# KiCad board led_res_0805_order.kicad_pcb
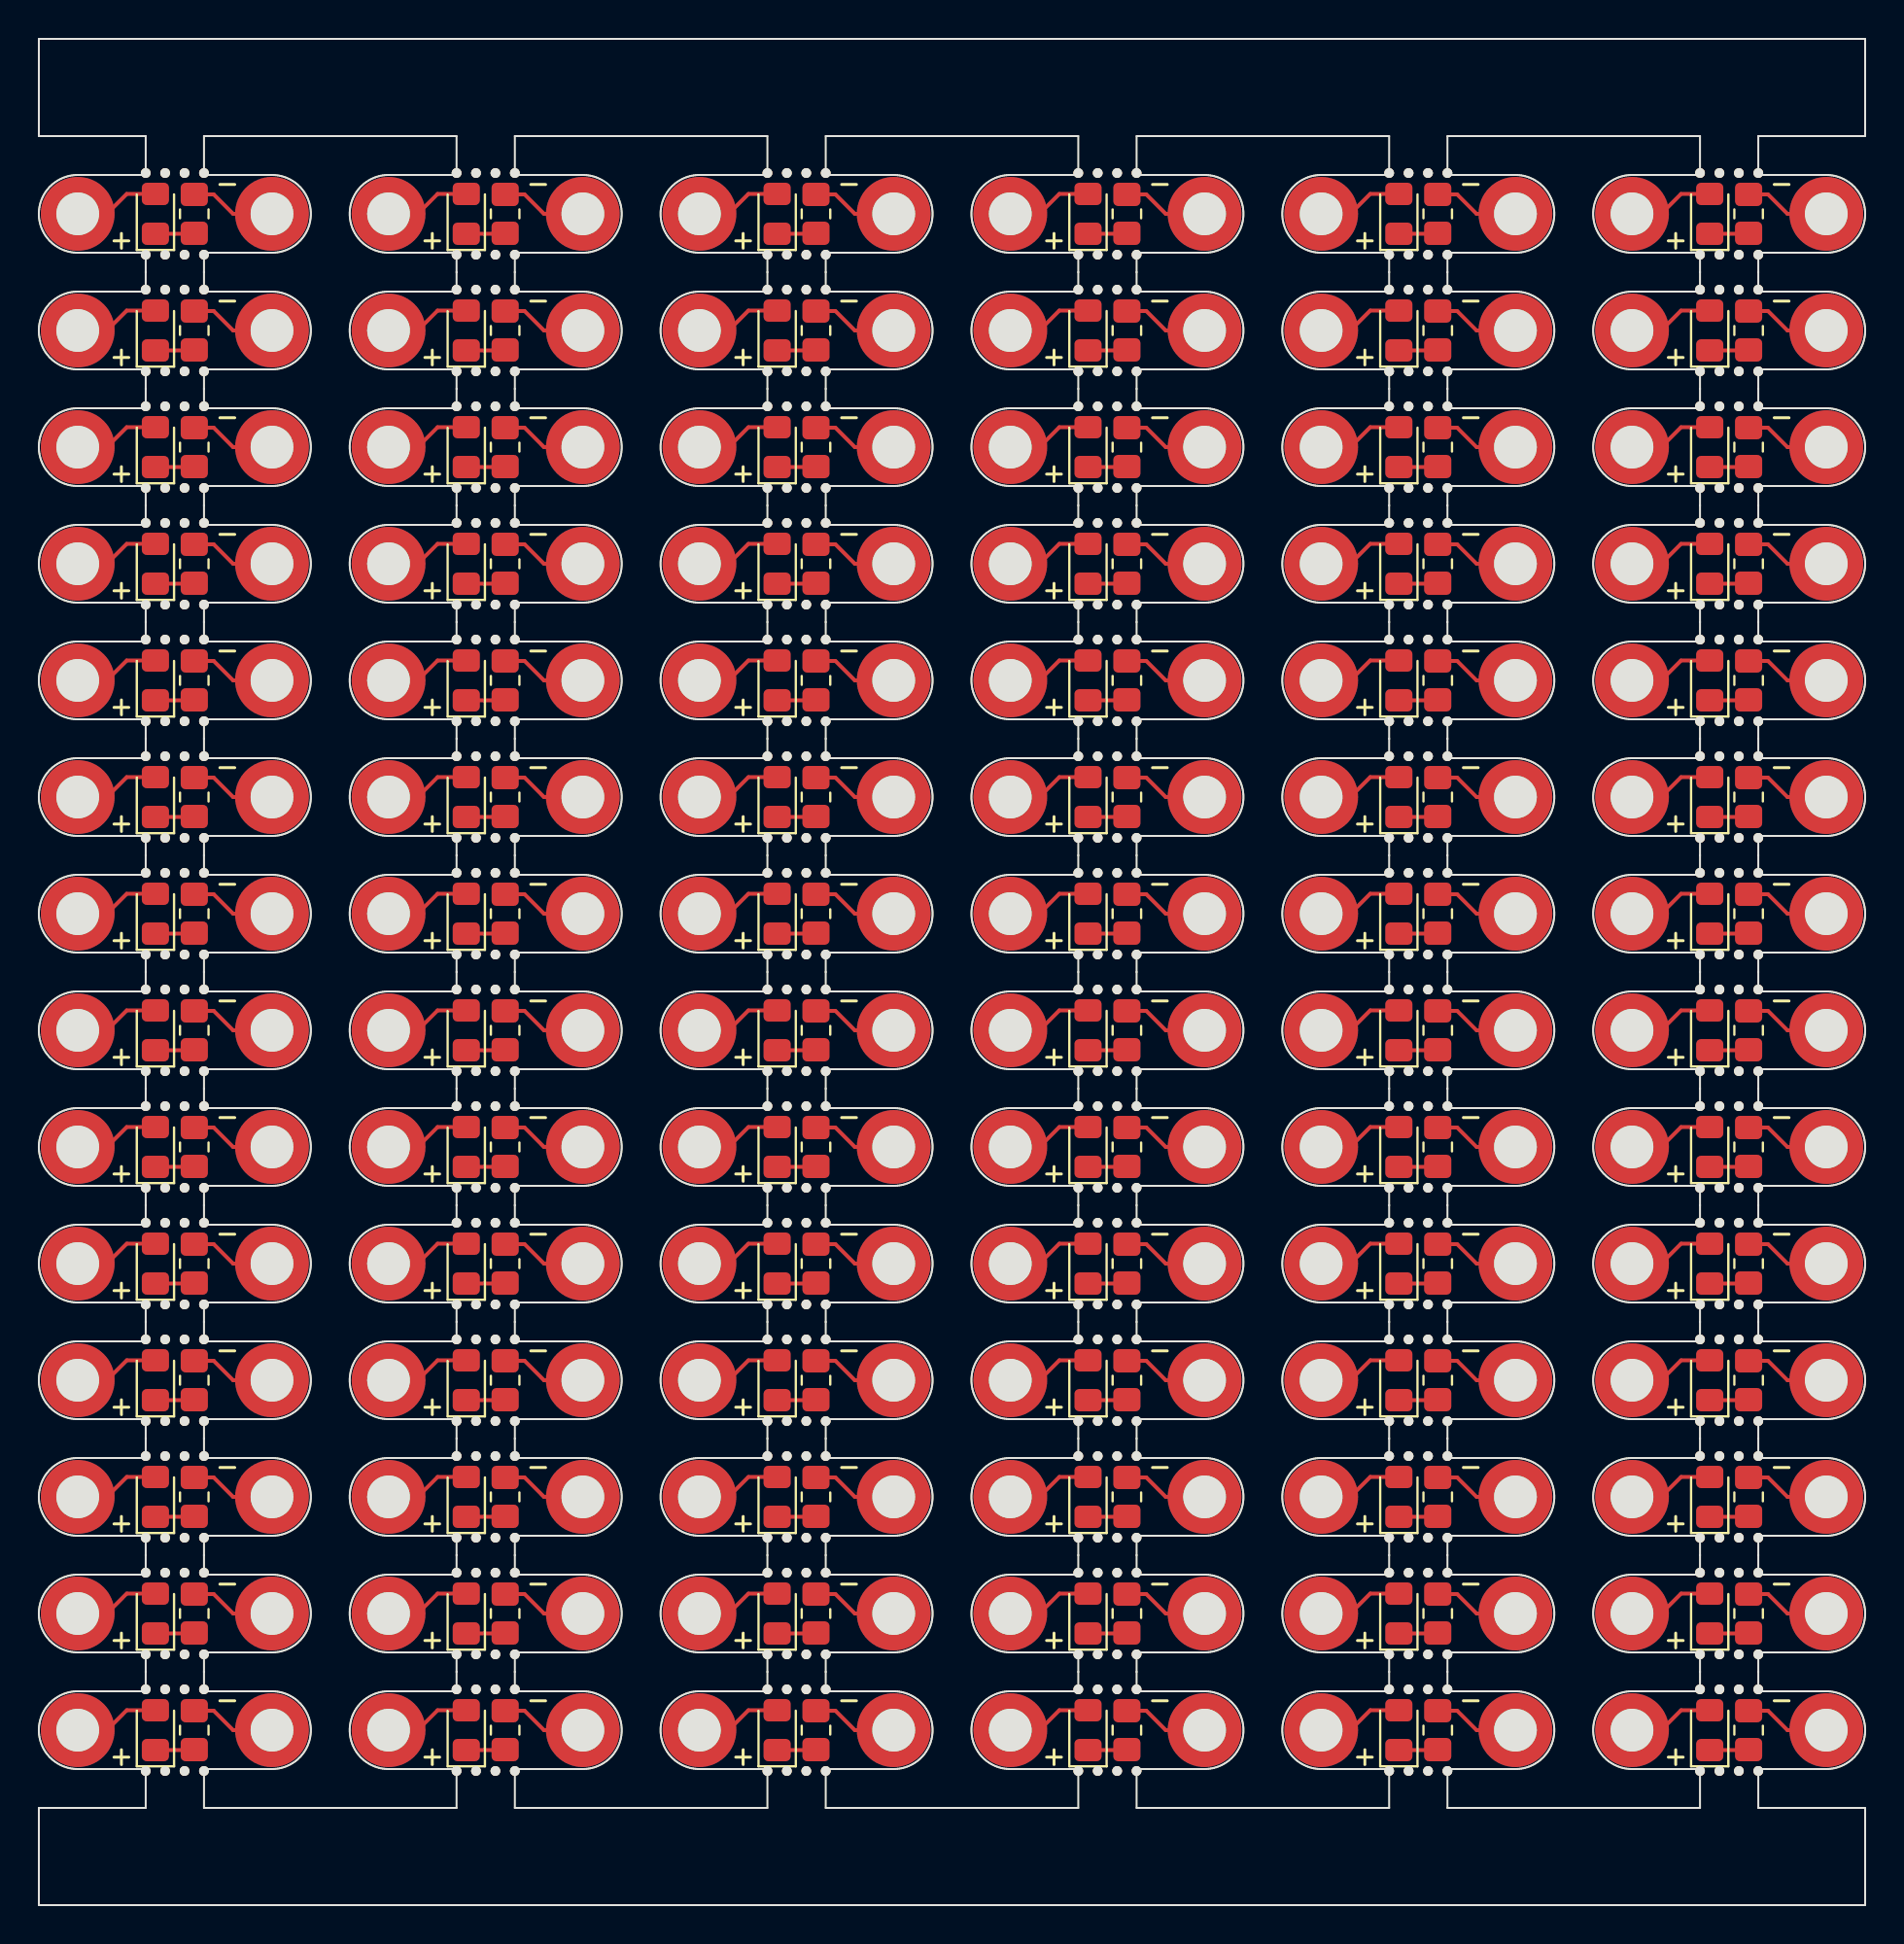
[diagram p0: board, top side]
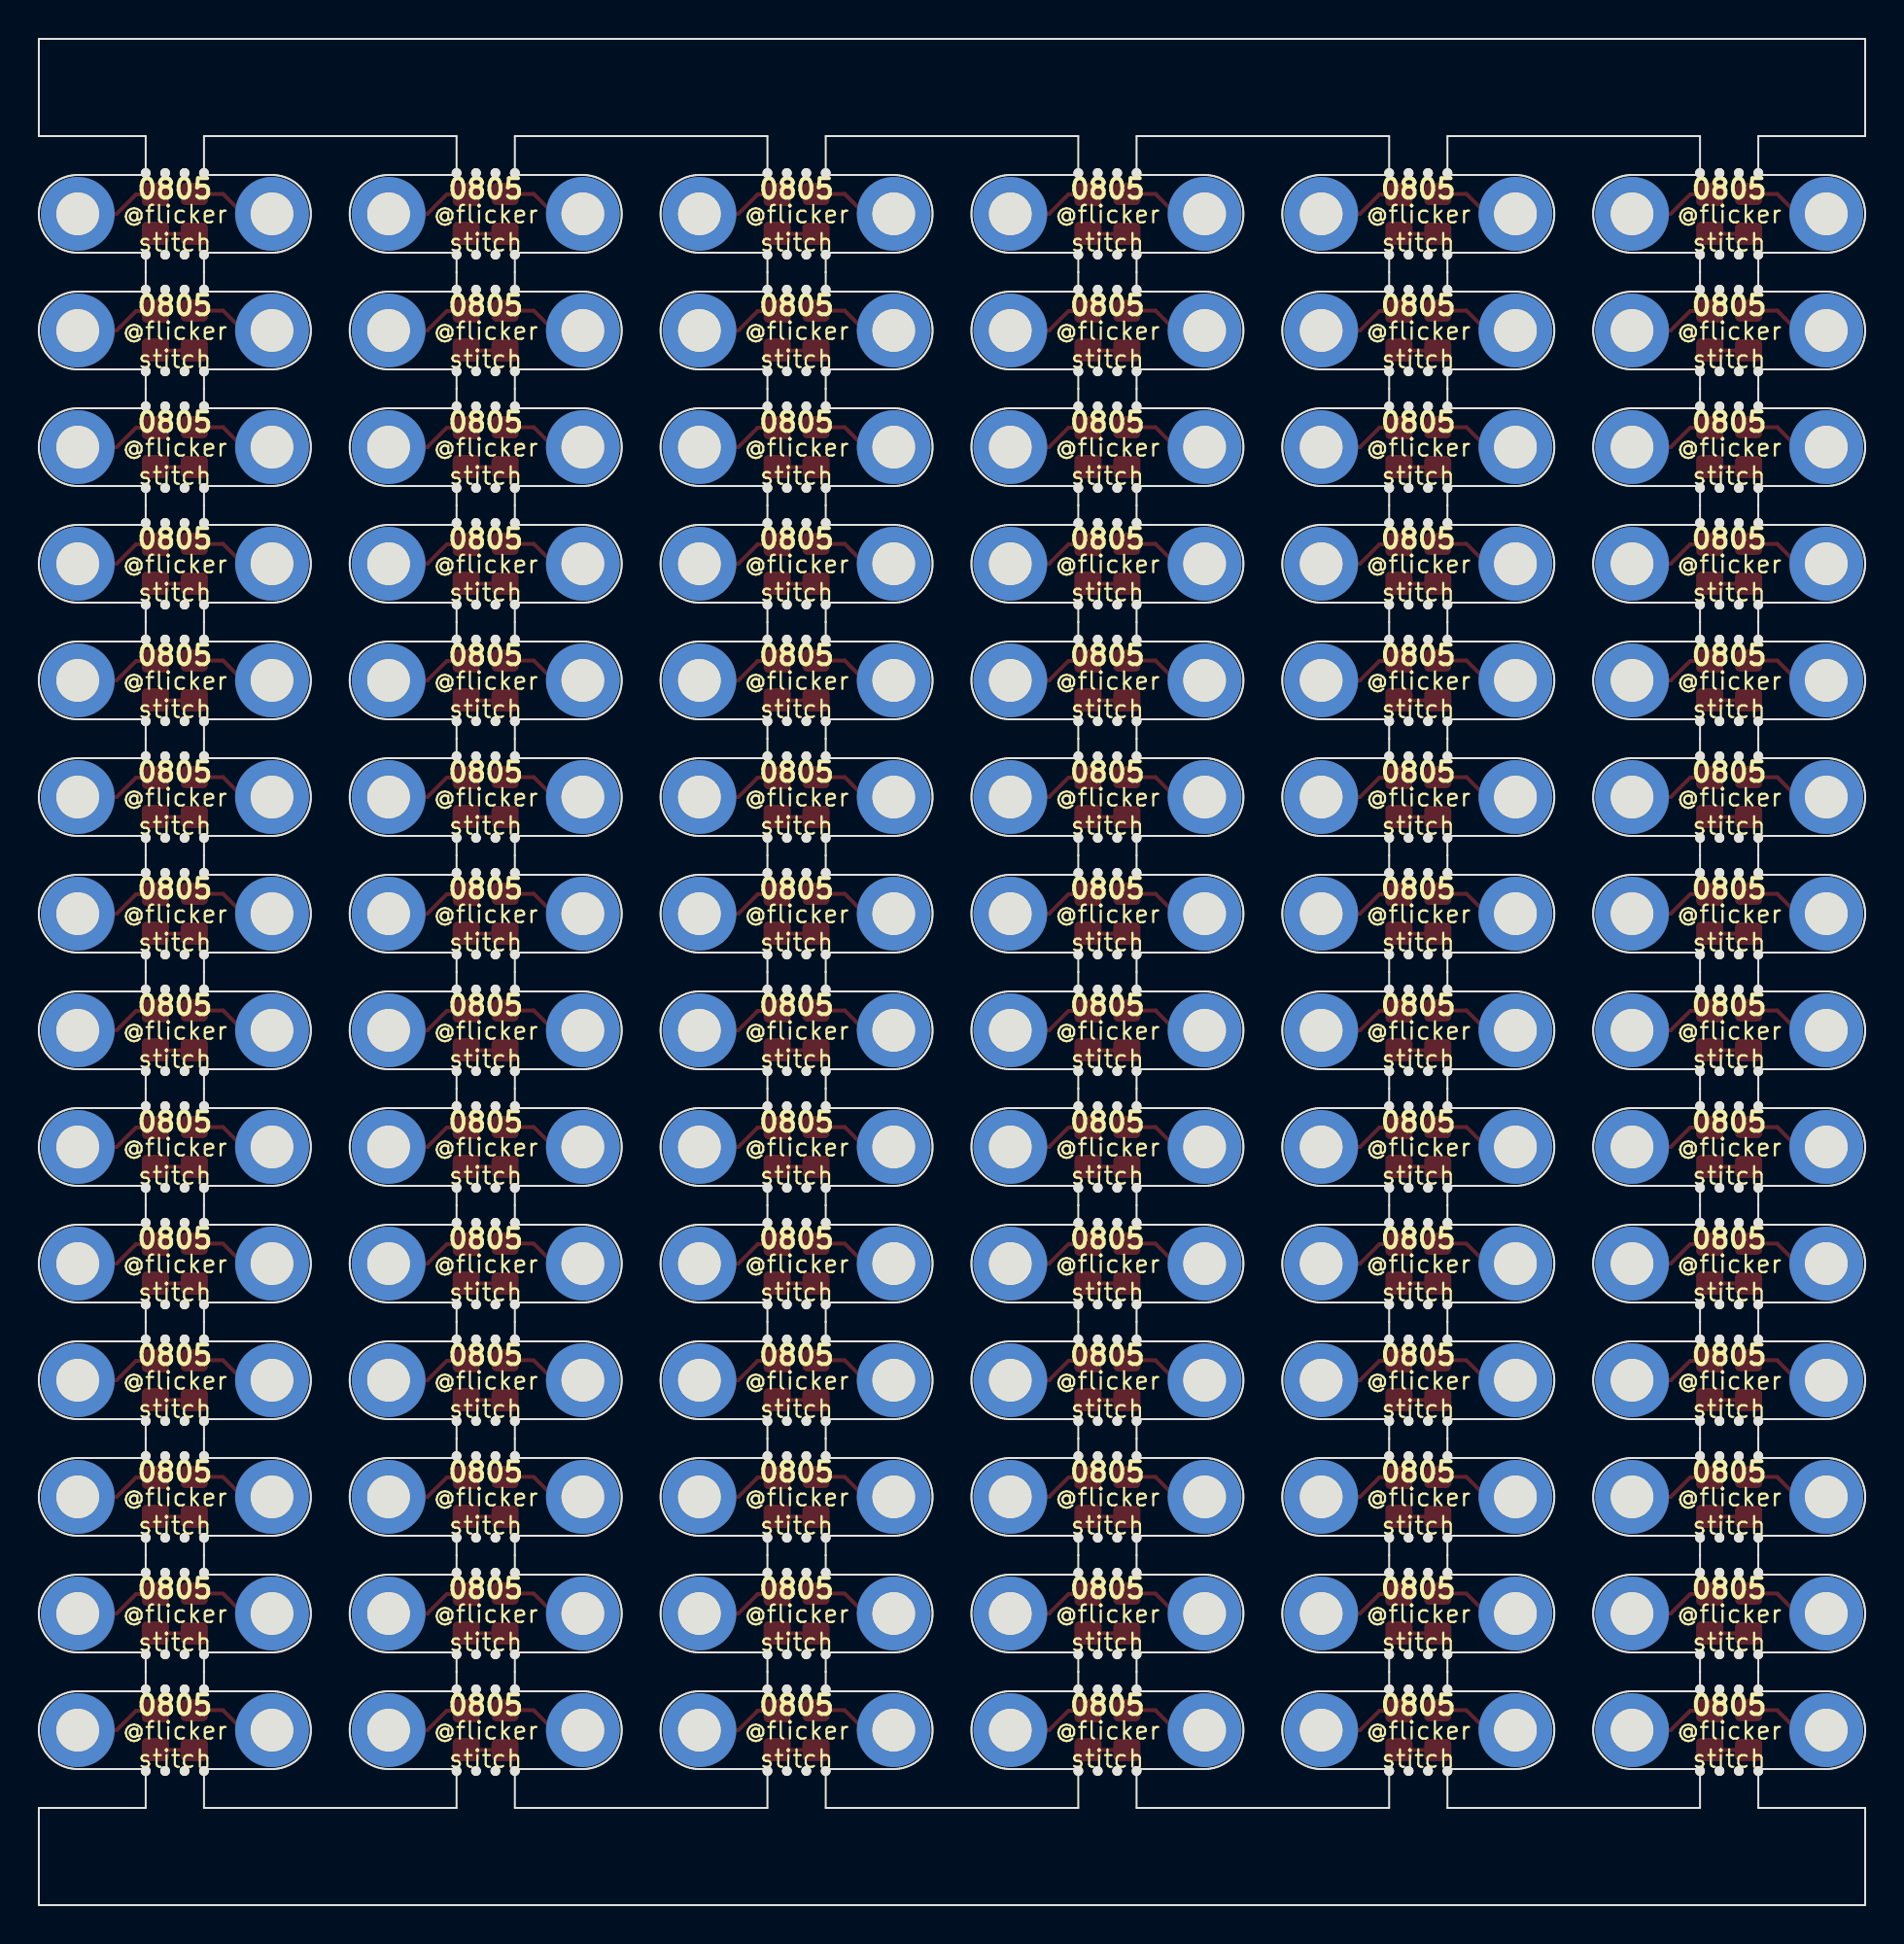
[diagram p1: board, bottom side, seen from below]

Outline 94 x 96 mm; copper layers: Top, Bottom. Coordinates in mm from the lower left corner of the outline.

## Placement (name value [footprint] x y rotation side)
D1  LED  [LED_0805_2012Metric_Pad1.15x1.40mm_HandSolder]  22 33 90 top
D1#2  LED  [LED_0805_2012Metric_Pad1.15x1.40mm_HandSolder]  6 27 90 top
D1#3  LED  [LED_0805_2012Metric_Pad1.15x1.40mm_HandSolder]  54 81 90 top
D1#4  LED  [LED_0805_2012Metric_Pad1.15x1.40mm_HandSolder]  6 75 90 top
D1#5  LED  [LED_0805_2012Metric_Pad1.15x1.40mm_HandSolder]  86 39 90 top
D1#6  LED  [LED_0805_2012Metric_Pad1.15x1.40mm_HandSolder]  86 9 90 top
D1#7  LED  [LED_0805_2012Metric_Pad1.15x1.40mm_HandSolder]  54 75 90 top
D1#8  LED  [LED_0805_2012Metric_Pad1.15x1.40mm_HandSolder]  54 51 90 top
D1#9  LED  [LED_0805_2012Metric_Pad1.15x1.40mm_HandSolder]  54 33 90 top
D1#10  LED  [LED_0805_2012Metric_Pad1.15x1.40mm_HandSolder]  38 33 90 top
D1#11  LED  [LED_0805_2012Metric_Pad1.15x1.40mm_HandSolder]  86 63 90 top
D1#12  LED  [LED_0805_2012Metric_Pad1.15x1.40mm_HandSolder]  70 51 90 top
D1#13  LED  [LED_0805_2012Metric_Pad1.15x1.40mm_HandSolder]  38 9 90 top
D1#14  LED  [LED_0805_2012Metric_Pad1.15x1.40mm_HandSolder]  70 63 90 top
D1#15  LED  [LED_0805_2012Metric_Pad1.15x1.40mm_HandSolder]  70 21 90 top
D1#16  LED  [LED_0805_2012Metric_Pad1.15x1.40mm_HandSolder]  70 87 90 top
D1#17  LED  [LED_0805_2012Metric_Pad1.15x1.40mm_HandSolder]  38 21 90 top
D1#18  LED  [LED_0805_2012Metric_Pad1.15x1.40mm_HandSolder]  6 87 90 top
D1#19  LED  [LED_0805_2012Metric_Pad1.15x1.40mm_HandSolder]  86 15 90 top
D1#20  LED  [LED_0805_2012Metric_Pad1.15x1.40mm_HandSolder]  54 63 90 top
D1#21  LED  [LED_0805_2012Metric_Pad1.15x1.40mm_HandSolder]  86 27 90 top
D1#22  LED  [LED_0805_2012Metric_Pad1.15x1.40mm_HandSolder]  38 87 90 top
D1#23  LED  [LED_0805_2012Metric_Pad1.15x1.40mm_HandSolder]  22 9 90 top
D1#24  LED  [LED_0805_2012Metric_Pad1.15x1.40mm_HandSolder]  22 39 90 top
D1#25  LED  [LED_0805_2012Metric_Pad1.15x1.40mm_HandSolder]  22 81 90 top
D1#26  LED  [LED_0805_2012Metric_Pad1.15x1.40mm_HandSolder]  86 51 90 top
D1#27  LED  [LED_0805_2012Metric_Pad1.15x1.40mm_HandSolder]  22 15 90 top
D1#28  LED  [LED_0805_2012Metric_Pad1.15x1.40mm_HandSolder]  86 33 90 top
D1#29  LED  [LED_0805_2012Metric_Pad1.15x1.40mm_HandSolder]  86 57 90 top
D1#30  LED  [LED_0805_2012Metric_Pad1.15x1.40mm_HandSolder]  6 15 90 top
D1#31  LED  [LED_0805_2012Metric_Pad1.15x1.40mm_HandSolder]  38 39 90 top
D1#32  LED  [LED_0805_2012Metric_Pad1.15x1.40mm_HandSolder]  54 39 90 top
D1#33  LED  [LED_0805_2012Metric_Pad1.15x1.40mm_HandSolder]  38 69 90 top
D1#34  LED  [LED_0805_2012Metric_Pad1.15x1.40mm_HandSolder]  70 69 90 top
D1#35  LED  [LED_0805_2012Metric_Pad1.15x1.40mm_HandSolder]  6 9 90 top
D1#36  LED  [LED_0805_2012Metric_Pad1.15x1.40mm_HandSolder]  70 15 90 top
D1#37  LED  [LED_0805_2012Metric_Pad1.15x1.40mm_HandSolder]  6 39 90 top
D1#38  LED  [LED_0805_2012Metric_Pad1.15x1.40mm_HandSolder]  54 27 90 top
D1#39  LED  [LED_0805_2012Metric_Pad1.15x1.40mm_HandSolder]  6 33 90 top
D1#40  LED  [LED_0805_2012Metric_Pad1.15x1.40mm_HandSolder]  6 21 90 top
D1#41  LED  [LED_0805_2012Metric_Pad1.15x1.40mm_HandSolder]  70 81 90 top
D1#42  LED  [LED_0805_2012Metric_Pad1.15x1.40mm_HandSolder]  54 57 90 top
D1#43  LED  [LED_0805_2012Metric_Pad1.15x1.40mm_HandSolder]  22 27 90 top
D1#44  LED  [LED_0805_2012Metric_Pad1.15x1.40mm_HandSolder]  70 45 90 top
D1#45  LED  [LED_0805_2012Metric_Pad1.15x1.40mm_HandSolder]  6 69 90 top
D1#46  LED  [LED_0805_2012Metric_Pad1.15x1.40mm_HandSolder]  6 63 90 top
D1#47  LED  [LED_0805_2012Metric_Pad1.15x1.40mm_HandSolder]  54 21 90 top
D1#48  LED  [LED_0805_2012Metric_Pad1.15x1.40mm_HandSolder]  22 69 90 top
D1#49  LED  [LED_0805_2012Metric_Pad1.15x1.40mm_HandSolder]  54 15 90 top
D1#50  LED  [LED_0805_2012Metric_Pad1.15x1.40mm_HandSolder]  38 27 90 top
D1#51  LED  [LED_0805_2012Metric_Pad1.15x1.40mm_HandSolder]  38 81 90 top
D1#52  LED  [LED_0805_2012Metric_Pad1.15x1.40mm_HandSolder]  54 87 90 top
D1#53  LED  [LED_0805_2012Metric_Pad1.15x1.40mm_HandSolder]  38 15 90 top
D1#54  LED  [LED_0805_2012Metric_Pad1.15x1.40mm_HandSolder]  70 39 90 top
D1#55  LED  [LED_0805_2012Metric_Pad1.15x1.40mm_HandSolder]  6 57 90 top
D1#56  LED  [LED_0805_2012Metric_Pad1.15x1.40mm_HandSolder]  38 45 90 top
D1#57  LED  [LED_0805_2012Metric_Pad1.15x1.40mm_HandSolder]  70 57 90 top
D1#58  LED  [LED_0805_2012Metric_Pad1.15x1.40mm_HandSolder]  86 21 90 top
D1#59  LED  [LED_0805_2012Metric_Pad1.15x1.40mm_HandSolder]  70 75 90 top
D1#60  LED  [LED_0805_2012Metric_Pad1.15x1.40mm_HandSolder]  54 9 90 top
D1#61  LED  [LED_0805_2012Metric_Pad1.15x1.40mm_HandSolder]  70 27 90 top
D1#62  LED  [LED_0805_2012Metric_Pad1.15x1.40mm_HandSolder]  38 63 90 top
D1#63  LED  [LED_0805_2012Metric_Pad1.15x1.40mm_HandSolder]  54 45 90 top
D1#64  LED  [LED_0805_2012Metric_Pad1.15x1.40mm_HandSolder]  22 87 90 top
D1#65  LED  [LED_0805_2012Metric_Pad1.15x1.40mm_HandSolder]  22 57 90 top
D1#66  LED  [LED_0805_2012Metric_Pad1.15x1.40mm_HandSolder]  86 81 90 top
D1#67  LED  [LED_0805_2012Metric_Pad1.15x1.40mm_HandSolder]  6 45 90 top
D1#68  LED  [LED_0805_2012Metric_Pad1.15x1.40mm_HandSolder]  22 21 90 top
D1#69  LED  [LED_0805_2012Metric_Pad1.15x1.40mm_HandSolder]  86 75 90 top
D1#70  LED  [LED_0805_2012Metric_Pad1.15x1.40mm_HandSolder]  38 51 90 top
D1#71  LED  [LED_0805_2012Metric_Pad1.15x1.40mm_HandSolder]  70 9 90 top
D1#72  LED  [LED_0805_2012Metric_Pad1.15x1.40mm_HandSolder]  22 63 90 top
D1#73  LED  [LED_0805_2012Metric_Pad1.15x1.40mm_HandSolder]  86 69 90 top
D1#74  LED  [LED_0805_2012Metric_Pad1.15x1.40mm_HandSolder]  86 87 90 top
D1#75  LED  [LED_0805_2012Metric_Pad1.15x1.40mm_HandSolder]  54 69 90 top
D1#76  LED  [LED_0805_2012Metric_Pad1.15x1.40mm_HandSolder]  22 45 90 top
D1#77  LED  [LED_0805_2012Metric_Pad1.15x1.40mm_HandSolder]  6 51 90 top
D1#78  LED  [LED_0805_2012Metric_Pad1.15x1.40mm_HandSolder]  22 51 90 top
D1#79  LED  [LED_0805_2012Metric_Pad1.15x1.40mm_HandSolder]  70 33 90 top
D1#80  LED  [LED_0805_2012Metric_Pad1.15x1.40mm_HandSolder]  86 45 90 top
D1#81  LED  [LED_0805_2012Metric_Pad1.15x1.40mm_HandSolder]  38 75 90 top
D1#82  LED  [LED_0805_2012Metric_Pad1.15x1.40mm_HandSolder]  22 75 90 top
D1#83  LED  [LED_0805_2012Metric_Pad1.15x1.40mm_HandSolder]  38 57 90 top
D1#84  LED  [LED_0805_2012Metric_Pad1.15x1.40mm_HandSolder]  6 81 90 top
H1  MountingHole_Pad  [MountingHole_2.2mm_M2_DIN965_Pad_TopBottom]  2 51 0 top
H1#2  MountingHole_Pad  [MountingHole_2.2mm_M2_DIN965_Pad_TopBottom]  18 39 0 top
H1#3  MountingHole_Pad  [MountingHole_2.2mm_M2_DIN965_Pad_TopBottom]  18 57 0 top
H1#4  MountingHole_Pad  [MountingHole_2.2mm_M2_DIN965_Pad_TopBottom]  2 81 0 top
H1#5  MountingHole_Pad  [MountingHole_2.2mm_M2_DIN965_Pad_TopBottom]  50 75 0 top
H1#6  MountingHole_Pad  [MountingHole_2.2mm_M2_DIN965_Pad_TopBottom]  2 9 0 top
H1#7  MountingHole_Pad  [MountingHole_2.2mm_M2_DIN965_Pad_TopBottom]  34 81 0 top
H1#8  MountingHole_Pad  [MountingHole_2.2mm_M2_DIN965_Pad_TopBottom]  50 51 0 top
H1#9  MountingHole_Pad  [MountingHole_2.2mm_M2_DIN965_Pad_TopBottom]  66 21 0 top
H1#10  MountingHole_Pad  [MountingHole_2.2mm_M2_DIN965_Pad_TopBottom]  82 57 0 top
H1#11  MountingHole_Pad  [MountingHole_2.2mm_M2_DIN965_Pad_TopBottom]  18 33 0 top
H1#12  MountingHole_Pad  [MountingHole_2.2mm_M2_DIN965_Pad_TopBottom]  82 27 0 top
H1#13  MountingHole_Pad  [MountingHole_2.2mm_M2_DIN965_Pad_TopBottom]  2 27 0 top
H1#14  MountingHole_Pad  [MountingHole_2.2mm_M2_DIN965_Pad_TopBottom]  66 57 0 top
H1#15  MountingHole_Pad  [MountingHole_2.2mm_M2_DIN965_Pad_TopBottom]  18 15 0 top
H1#16  MountingHole_Pad  [MountingHole_2.2mm_M2_DIN965_Pad_TopBottom]  2 15 0 top
H1#17  MountingHole_Pad  [MountingHole_2.2mm_M2_DIN965_Pad_TopBottom]  82 21 0 top
H1#18  MountingHole_Pad  [MountingHole_2.2mm_M2_DIN965_Pad_TopBottom]  18 51 0 top
H1#19  MountingHole_Pad  [MountingHole_2.2mm_M2_DIN965_Pad_TopBottom]  82 87 0 top
H1#20  MountingHole_Pad  [MountingHole_2.2mm_M2_DIN965_Pad_TopBottom]  34 27 0 top
H1#21  MountingHole_Pad  [MountingHole_2.2mm_M2_DIN965_Pad_TopBottom]  66 87 0 top
H1#22  MountingHole_Pad  [MountingHole_2.2mm_M2_DIN965_Pad_TopBottom]  82 51 0 top
H1#23  MountingHole_Pad  [MountingHole_2.2mm_M2_DIN965_Pad_TopBottom]  50 81 0 top
H1#24  MountingHole_Pad  [MountingHole_2.2mm_M2_DIN965_Pad_TopBottom]  82 45 0 top
H1#25  MountingHole_Pad  [MountingHole_2.2mm_M2_DIN965_Pad_TopBottom]  34 69 0 top
H1#26  MountingHole_Pad  [MountingHole_2.2mm_M2_DIN965_Pad_TopBottom]  66 15 0 top
H1#27  MountingHole_Pad  [MountingHole_2.2mm_M2_DIN965_Pad_TopBottom]  66 81 0 top
H1#28  MountingHole_Pad  [MountingHole_2.2mm_M2_DIN965_Pad_TopBottom]  2 39 0 top
H1#29  MountingHole_Pad  [MountingHole_2.2mm_M2_DIN965_Pad_TopBottom]  18 45 0 top
H1#30  MountingHole_Pad  [MountingHole_2.2mm_M2_DIN965_Pad_TopBottom]  2 21 0 top
H1#31  MountingHole_Pad  [MountingHole_2.2mm_M2_DIN965_Pad_TopBottom]  66 45 0 top
H1#32  MountingHole_Pad  [MountingHole_2.2mm_M2_DIN965_Pad_TopBottom]  34 51 0 top
H1#33  MountingHole_Pad  [MountingHole_2.2mm_M2_DIN965_Pad_TopBottom]  18 9 0 top
H1#34  MountingHole_Pad  [MountingHole_2.2mm_M2_DIN965_Pad_TopBottom]  50 15 0 top
H1#35  MountingHole_Pad  [MountingHole_2.2mm_M2_DIN965_Pad_TopBottom]  34 21 0 top
H1#36  MountingHole_Pad  [MountingHole_2.2mm_M2_DIN965_Pad_TopBottom]  50 21 0 top
H1#37  MountingHole_Pad  [MountingHole_2.2mm_M2_DIN965_Pad_TopBottom]  2 33 0 top
H1#38  MountingHole_Pad  [MountingHole_2.2mm_M2_DIN965_Pad_TopBottom]  2 45 0 top
H1#39  MountingHole_Pad  [MountingHole_2.2mm_M2_DIN965_Pad_TopBottom]  18 21 0 top
H1#40  MountingHole_Pad  [MountingHole_2.2mm_M2_DIN965_Pad_TopBottom]  34 9 0 top
H1#41  MountingHole_Pad  [MountingHole_2.2mm_M2_DIN965_Pad_TopBottom]  66 63 0 top
H1#42  MountingHole_Pad  [MountingHole_2.2mm_M2_DIN965_Pad_TopBottom]  50 57 0 top
H1#43  MountingHole_Pad  [MountingHole_2.2mm_M2_DIN965_Pad_TopBottom]  34 75 0 top
H1#44  MountingHole_Pad  [MountingHole_2.2mm_M2_DIN965_Pad_TopBottom]  18 63 0 top
H1#45  MountingHole_Pad  [MountingHole_2.2mm_M2_DIN965_Pad_TopBottom]  82 15 0 top
H1#46  MountingHole_Pad  [MountingHole_2.2mm_M2_DIN965_Pad_TopBottom]  50 63 0 top
H1#47  MountingHole_Pad  [MountingHole_2.2mm_M2_DIN965_Pad_TopBottom]  66 27 0 top
H1#48  MountingHole_Pad  [MountingHole_2.2mm_M2_DIN965_Pad_TopBottom]  18 81 0 top
H1#49  MountingHole_Pad  [MountingHole_2.2mm_M2_DIN965_Pad_TopBottom]  2 75 0 top
H1#50  MountingHole_Pad  [MountingHole_2.2mm_M2_DIN965_Pad_TopBottom]  66 75 0 top
H1#51  MountingHole_Pad  [MountingHole_2.2mm_M2_DIN965_Pad_TopBottom]  50 87 0 top
H1#52  MountingHole_Pad  [MountingHole_2.2mm_M2_DIN965_Pad_TopBottom]  82 81 0 top
H1#53  MountingHole_Pad  [MountingHole_2.2mm_M2_DIN965_Pad_TopBottom]  66 39 0 top
H1#54  MountingHole_Pad  [MountingHole_2.2mm_M2_DIN965_Pad_TopBottom]  82 39 0 top
H1#55  MountingHole_Pad  [MountingHole_2.2mm_M2_DIN965_Pad_TopBottom]  34 15 0 top
H1#56  MountingHole_Pad  [MountingHole_2.2mm_M2_DIN965_Pad_TopBottom]  82 63 0 top
H1#57  MountingHole_Pad  [MountingHole_2.2mm_M2_DIN965_Pad_TopBottom]  82 75 0 top
H1#58  MountingHole_Pad  [MountingHole_2.2mm_M2_DIN965_Pad_TopBottom]  2 87 0 top
H1#59  MountingHole_Pad  [MountingHole_2.2mm_M2_DIN965_Pad_TopBottom]  2 63 0 top
H1#60  MountingHole_Pad  [MountingHole_2.2mm_M2_DIN965_Pad_TopBottom]  18 75 0 top
H1#61  MountingHole_Pad  [MountingHole_2.2mm_M2_DIN965_Pad_TopBottom]  2 69 0 top
H1#62  MountingHole_Pad  [MountingHole_2.2mm_M2_DIN965_Pad_TopBottom]  34 33 0 top
H1#63  MountingHole_Pad  [MountingHole_2.2mm_M2_DIN965_Pad_TopBottom]  34 87 0 top
H1#64  MountingHole_Pad  [MountingHole_2.2mm_M2_DIN965_Pad_TopBottom]  50 45 0 top
H1#65  MountingHole_Pad  [MountingHole_2.2mm_M2_DIN965_Pad_TopBottom]  2 57 0 top
H1#66  MountingHole_Pad  [MountingHole_2.2mm_M2_DIN965_Pad_TopBottom]  66 9 0 top
H1#67  MountingHole_Pad  [MountingHole_2.2mm_M2_DIN965_Pad_TopBottom]  82 69 0 top
H1#68  MountingHole_Pad  [MountingHole_2.2mm_M2_DIN965_Pad_TopBottom]  82 33 0 top
H1#69  MountingHole_Pad  [MountingHole_2.2mm_M2_DIN965_Pad_TopBottom]  18 27 0 top
H1#70  MountingHole_Pad  [MountingHole_2.2mm_M2_DIN965_Pad_TopBottom]  82 9 0 top
H1#71  MountingHole_Pad  [MountingHole_2.2mm_M2_DIN965_Pad_TopBottom]  50 39 0 top
H1#72  MountingHole_Pad  [MountingHole_2.2mm_M2_DIN965_Pad_TopBottom]  34 57 0 top
H1#73  MountingHole_Pad  [MountingHole_2.2mm_M2_DIN965_Pad_TopBottom]  34 39 0 top
H1#74  MountingHole_Pad  [MountingHole_2.2mm_M2_DIN965_Pad_TopBottom]  50 69 0 top
H1#75  MountingHole_Pad  [MountingHole_2.2mm_M2_DIN965_Pad_TopBottom]  66 69 0 top
H1#76  MountingHole_Pad  [MountingHole_2.2mm_M2_DIN965_Pad_TopBottom]  18 69 0 top
H1#77  MountingHole_Pad  [MountingHole_2.2mm_M2_DIN965_Pad_TopBottom]  66 51 0 top
H1#78  MountingHole_Pad  [MountingHole_2.2mm_M2_DIN965_Pad_TopBottom]  50 27 0 top
H1#79  MountingHole_Pad  [MountingHole_2.2mm_M2_DIN965_Pad_TopBottom]  34 63 0 top
H1#80  MountingHole_Pad  [MountingHole_2.2mm_M2_DIN965_Pad_TopBottom]  18 87 0 top
H1#81  MountingHole_Pad  [MountingHole_2.2mm_M2_DIN965_Pad_TopBottom]  34 45 0 top
H1#82  MountingHole_Pad  [MountingHole_2.2mm_M2_DIN965_Pad_TopBottom]  50 9 0 top
H1#83  MountingHole_Pad  [MountingHole_2.2mm_M2_DIN965_Pad_TopBottom]  50 33 0 top
H1#84  MountingHole_Pad  [MountingHole_2.2mm_M2_DIN965_Pad_TopBottom]  66 33 0 top
H2  MountingHole_Pad  [MountingHole_2.2mm_M2_DIN965_Pad_TopBottom]  60 45 0 top
H2#2  MountingHole_Pad  [MountingHole_2.2mm_M2_DIN965_Pad_TopBottom]  28 51 0 top
H2#3  MountingHole_Pad  [MountingHole_2.2mm_M2_DIN965_Pad_TopBottom]  60 87 0 top
H2#4  MountingHole_Pad  [MountingHole_2.2mm_M2_DIN965_Pad_TopBottom]  12 57 0 top
H2#5  MountingHole_Pad  [MountingHole_2.2mm_M2_DIN965_Pad_TopBottom]  44 81 0 top
H2#6  MountingHole_Pad  [MountingHole_2.2mm_M2_DIN965_Pad_TopBottom]  92 51 0 top
H2#7  MountingHole_Pad  [MountingHole_2.2mm_M2_DIN965_Pad_TopBottom]  44 27 0 top
H2#8  MountingHole_Pad  [MountingHole_2.2mm_M2_DIN965_Pad_TopBottom]  28 27 0 top
H2#9  MountingHole_Pad  [MountingHole_2.2mm_M2_DIN965_Pad_TopBottom]  92 9 0 top
H2#10  MountingHole_Pad  [MountingHole_2.2mm_M2_DIN965_Pad_TopBottom]  44 57 0 top
H2#11  MountingHole_Pad  [MountingHole_2.2mm_M2_DIN965_Pad_TopBottom]  12 33 0 top
H2#12  MountingHole_Pad  [MountingHole_2.2mm_M2_DIN965_Pad_TopBottom]  44 39 0 top
H2#13  MountingHole_Pad  [MountingHole_2.2mm_M2_DIN965_Pad_TopBottom]  60 57 0 top
H2#14  MountingHole_Pad  [MountingHole_2.2mm_M2_DIN965_Pad_TopBottom]  92 69 0 top
H2#15  MountingHole_Pad  [MountingHole_2.2mm_M2_DIN965_Pad_TopBottom]  60 51 0 top
H2#16  MountingHole_Pad  [MountingHole_2.2mm_M2_DIN965_Pad_TopBottom]  12 51 0 top
H2#17  MountingHole_Pad  [MountingHole_2.2mm_M2_DIN965_Pad_TopBottom]  28 81 0 top
H2#18  MountingHole_Pad  [MountingHole_2.2mm_M2_DIN965_Pad_TopBottom]  12 21 0 top
H2#19  MountingHole_Pad  [MountingHole_2.2mm_M2_DIN965_Pad_TopBottom]  12 27 0 top
H2#20  MountingHole_Pad  [MountingHole_2.2mm_M2_DIN965_Pad_TopBottom]  28 69 0 top
H2#21  MountingHole_Pad  [MountingHole_2.2mm_M2_DIN965_Pad_TopBottom]  12 87 0 top
H2#22  MountingHole_Pad  [MountingHole_2.2mm_M2_DIN965_Pad_TopBottom]  28 45 0 top
H2#23  MountingHole_Pad  [MountingHole_2.2mm_M2_DIN965_Pad_TopBottom]  44 21 0 top
H2#24  MountingHole_Pad  [MountingHole_2.2mm_M2_DIN965_Pad_TopBottom]  12 81 0 top
H2#25  MountingHole_Pad  [MountingHole_2.2mm_M2_DIN965_Pad_TopBottom]  12 75 0 top
H2#26  MountingHole_Pad  [MountingHole_2.2mm_M2_DIN965_Pad_TopBottom]  44 75 0 top
H2#27  MountingHole_Pad  [MountingHole_2.2mm_M2_DIN965_Pad_TopBottom]  12 15 0 top
H2#28  MountingHole_Pad  [MountingHole_2.2mm_M2_DIN965_Pad_TopBottom]  92 15 0 top
H2#29  MountingHole_Pad  [MountingHole_2.2mm_M2_DIN965_Pad_TopBottom]  60 15 0 top
H2#30  MountingHole_Pad  [MountingHole_2.2mm_M2_DIN965_Pad_TopBottom]  28 15 0 top
H2#31  MountingHole_Pad  [MountingHole_2.2mm_M2_DIN965_Pad_TopBottom]  76 45 0 top
H2#32  MountingHole_Pad  [MountingHole_2.2mm_M2_DIN965_Pad_TopBottom]  76 69 0 top
H2#33  MountingHole_Pad  [MountingHole_2.2mm_M2_DIN965_Pad_TopBottom]  12 45 0 top
H2#34  MountingHole_Pad  [MountingHole_2.2mm_M2_DIN965_Pad_TopBottom]  92 27 0 top
H2#35  MountingHole_Pad  [MountingHole_2.2mm_M2_DIN965_Pad_TopBottom]  60 81 0 top
H2#36  MountingHole_Pad  [MountingHole_2.2mm_M2_DIN965_Pad_TopBottom]  92 57 0 top
H2#37  MountingHole_Pad  [MountingHole_2.2mm_M2_DIN965_Pad_TopBottom]  44 45 0 top
H2#38  MountingHole_Pad  [MountingHole_2.2mm_M2_DIN965_Pad_TopBottom]  92 75 0 top
H2#39  MountingHole_Pad  [MountingHole_2.2mm_M2_DIN965_Pad_TopBottom]  44 87 0 top
H2#40  MountingHole_Pad  [MountingHole_2.2mm_M2_DIN965_Pad_TopBottom]  28 33 0 top
H2#41  MountingHole_Pad  [MountingHole_2.2mm_M2_DIN965_Pad_TopBottom]  28 75 0 top
H2#42  MountingHole_Pad  [MountingHole_2.2mm_M2_DIN965_Pad_TopBottom]  44 9 0 top
H2#43  MountingHole_Pad  [MountingHole_2.2mm_M2_DIN965_Pad_TopBottom]  28 87 0 top
H2#44  MountingHole_Pad  [MountingHole_2.2mm_M2_DIN965_Pad_TopBottom]  92 87 0 top
H2#45  MountingHole_Pad  [MountingHole_2.2mm_M2_DIN965_Pad_TopBottom]  28 63 0 top
H2#46  MountingHole_Pad  [MountingHole_2.2mm_M2_DIN965_Pad_TopBottom]  60 75 0 top
H2#47  MountingHole_Pad  [MountingHole_2.2mm_M2_DIN965_Pad_TopBottom]  76 33 0 top
H2#48  MountingHole_Pad  [MountingHole_2.2mm_M2_DIN965_Pad_TopBottom]  60 39 0 top
H2#49  MountingHole_Pad  [MountingHole_2.2mm_M2_DIN965_Pad_TopBottom]  60 63 0 top
H2#50  MountingHole_Pad  [MountingHole_2.2mm_M2_DIN965_Pad_TopBottom]  76 51 0 top
H2#51  MountingHole_Pad  [MountingHole_2.2mm_M2_DIN965_Pad_TopBottom]  76 15 0 top
H2#52  MountingHole_Pad  [MountingHole_2.2mm_M2_DIN965_Pad_TopBottom]  44 63 0 top
H2#53  MountingHole_Pad  [MountingHole_2.2mm_M2_DIN965_Pad_TopBottom]  92 33 0 top
H2#54  MountingHole_Pad  [MountingHole_2.2mm_M2_DIN965_Pad_TopBottom]  44 69 0 top
H2#55  MountingHole_Pad  [MountingHole_2.2mm_M2_DIN965_Pad_TopBottom]  92 21 0 top
H2#56  MountingHole_Pad  [MountingHole_2.2mm_M2_DIN965_Pad_TopBottom]  12 9 0 top
H2#57  MountingHole_Pad  [MountingHole_2.2mm_M2_DIN965_Pad_TopBottom]  76 9 0 top
H2#58  MountingHole_Pad  [MountingHole_2.2mm_M2_DIN965_Pad_TopBottom]  12 39 0 top
H2#59  MountingHole_Pad  [MountingHole_2.2mm_M2_DIN965_Pad_TopBottom]  76 75 0 top
H2#60  MountingHole_Pad  [MountingHole_2.2mm_M2_DIN965_Pad_TopBottom]  92 81 0 top
H2#61  MountingHole_Pad  [MountingHole_2.2mm_M2_DIN965_Pad_TopBottom]  28 57 0 top